# KiCad board AMLDC-2044B p2.kicad_pcb (continued)
## Routing (per net, layer and track width the routed paths; a pad name or vN(x,y) marks a point on that pad's centre or on a via; arc(x,y) is an arc through that point) (continued)
  Top w0.25: 127.64,265.18 126.76,265.18 UJ0.7 ; 127.64,265.18 128.42,259.67 C72.2 131.78,255.26 132.39,254.66 132.39,244.27 132.31,244.35 ; 127.64,265.18 127.87,265.41 ; 127.7,300.53 127.52,300.36 127.4,300.48 UG0.7 ; 127.7,300.53 127.7,316.99 ; 127.7,300.53 127.7,291.48 127.87,291.3 ; 132.31,244.35 UK0.7 ; 132.31,244.35 133,243.65 133,238.59 ; 132.82,196.94 132.51,197.25 UM0.7 ; 132.82,196.94 132.82,213.86 ; 132.82,196.94 132.71,196.83 132.71,195.07 128.1,190.47 127.99,190.47 127.99,180.6 ; 127.03,395.64 v2(127.53,398.19) 127.58,398.24 ; 127.03,395.64 R19.2 125,388.81 CR1.2 124.53,385.06 R49.2 126.98,382.61 126.98,374.29 127.03,374.24 127.03,373.44 126.51,372.92 ; 127.03,395.64 127.58,395.64 128.18,395.04 133.28,395.04 133.33,395.09 133.93,393.64 134.33,392.14 135.53,389.39 136.73,387.04 137.03,386.74 C45.1 137.03,382.79 C31.1 ; 127.85,355.23 UD0.7 ; 127.85,355.23 127.85,338.68 ; 127.85,355.23 R72.2 128.73,358.84 128.73,368.2 UC0.7 ; 127.74,282.58 127.87,282.71 127.87,291.3 ; 127.74,282.58 127.58,281.52 127.87,278.69 ; 127.74,282.58 127.55,282.38 UH0.7 ; v2(125.23,369.44) 125.18,369.5 UC0.7 ; 111.33,338.34 111.56,338.57 v1(111.6,338.61) 127.96,338.57 127.85,338.68 ; 127.87,265.41 125.1,259.26 C71.2 ; 127.87,265.41 127.87,278.69 ; 127.99,155.52 127.99,137.67 ; 127.99,155.52 128.13,155.38 UP0.7 ; 127.99,155.52 127.99,180.6 ; 127.99,137.67 127.83,137.51 UR0.7 ; 127.99,137.67 127.99,120.63 127.78,120.84 US0.7 ; UE0.7 127.78,336.04 127.87,335.95 ; 127.87,291.3 128.28,291.71 R7.2 ; 133,238.59 132.8,238.39 C64.2 ; 133,238.59 133,229.82 132.91,229.73 ; 127.7,316.99 127.87,317.16 127.87,335.95 ; 127.7,316.99 127.64,317.04 UF0.7 ; 126.51,372.92 126.13,372.54 ; 126.51,372.92 126.35,372.92 UC0.7 ; 127.99,180.6 127.8,180.78 UN0.7 ; 127.87,335.95 127.87,338.66 127.85,338.68 ; 132.91,229.73 132.79,229.62 127.63,229.62 127.26,229.25 C65.2 ; 132.91,229.73 132.91,213.95 132.82,213.86 ; 127.87,278.69 120.3,278.46 v1(115.28,277.64) 115.35,277.67 ; 426.85,141.03 429.33,143.46 428.98,143.81 429.16,150.38 429.47,153.62 429.66,155.43 429.87,160.33 R25.2 428.98,163.44 429.28,163.44 429.68,163.84 429.68,165.74 C8.1 ; J2.1 81.25,195.01 v2(81.33,195.09) ; 132.82,213.86 UL0.7 ; J1.99 81.13,228.79 81.13,228.79 v2(81.18,228.79) 81.18,228.84
(no net): length 15903
  Top w0: 81.24,359.14 81.25,359.16 v1(82.12,359.16) ; 92.28,359.16 v1(92.32,359.2)
  Top w0.15: 134.47,312.16 133.96,301.87 133.89,300.84 133.73,297.18 133.86,296.81 134.02,296.07 134.23,293.86 133.88,292.21 ; v1(435.61,354.5) 435.44,351.61 435.42,347.65 435.52,346.83 435.38,335.06 435.23,324.04 435.08,308.08 435.08,304.25 435,292.65 435.21,265.69 435.35,263.7 435.35,260.58 v1(435.26,260.49) ; 320.5,187.84 320.55,187.79 ; 320.55,187.79 320.34,184.56 320.37,183.82 320.27,180.78 320.11,179.38 320.05,177.75 319.77,175.22 319.47,173.66 319.38,172.53 319.18,171.28 319.09,170.02 318.86,168.7 318.68,167.46 318.57,165.91 318.48,165.07 318.37,159.86 318.14,153.18 317.98,126.67 317.93,125.15 317.92,123.23 317.87,122.3 317.76,117.8 317.81,116.32 317.76,111.16 ; 320.55,187.79 320.63,193.25 320.66,194.13 320.83,200.31 320.56,201.68 320.44,202.59 320.18,203.75 319.79,205.58 319.37,206.64 v1(319.01,207.31) ; 223.62,150.78 223.77,149.45 223.62,148.19 v1(223.62,146.83) ; v1(285.47,246.4) 285.54,246.4 288.37,243.96 289.08,243.27 290.07,241.74 289.85,238.11 289.63,237.09 289.32,235.61 289,233.62 288.56,229.55 288.47,228.25 288.05,224.73 287.74,222.27 287.66,210.17 287.59,207.13 287.83,176.46 287.59,168.48 287.43,164.1 ; v1(417.59,257.06) 417.71,258.75 417.57,280.76 417.63,282.13 417.76,290.05 417.76,290.94 417.85,295.06 417.92,296.22 417.69,296.71 417.53,297.74 417.99,299 418.1,303.4 417.79,303.78 417.65,305.26 417.74,305.35 417.74,305.52 418.14,306.2 418.04,307.32 418.03,308.77 v1(417.92,308.88) ; v1(223.78,322.32) 223.94,323.28 224.18,324.5 224.37,326.12 224.49,328.72 224.48,330.47 224.48,349.31 224.44,352.34 ; v1(281.65,362.85) 281.65,338.9 v1(281.54,338.78) ; v1(399.47,279.7) 399.5,279.73 399.5,281.32 399.4,281.7 399.22,282.95 399.09,285.7 398.98,286.67 399.07,306.05 399.21,313.68 399.33,344.7 399.38,345.45 399.41,348.23 399.61,349.99 399.85,353.21 400.08,357.04 399.98,357.64 v1(400.02,357.68) ; 179.03,119.62 179.15,139.25 179.29,148.47 179.36,150.28 179.54,153.48 179.78,155.21 179.68,162.47 179.57,162.96 179.25,169.77 179.25,170.55 179.18,172.81 179.21,177.62 179.21,178.66 179.25,179.47 179.5,184.4 179.57,185.55 180.04,190.65 180.17,191.97 180.77,197.69 v1(181.02,198.95) ; 139.92,194.73 140.29,196.55 v1(140.67,197.61) ; v1(333.3,160.6) 332.86,159.74 332.74,159.47 332.47,157.88 332.4,157.34 332.23,156.29 332.18,154.8 332.18,150.68 332.33,149.48 332.56,145.78 332.84,144.52 332.97,141.46 v1(332.97,141.46) ; 290.6,187.17 290.59,188.54 290.62,189.4 v1(291.12,190.91) ; v1(366.31,211.23) 366.29,209.96 366.25,208.91 366.11,204.43 366.13,203.58 366.06,201.09 366.07,199.61 366.03,196 365.99,195.17 365.89,191.97 365.89,191.03 365.81,189.47 365.73,187.77 365.8,187 365.69,185.96 365.71,185.94 365.85,183.16 365.94,182.06 366.12,179.87 366.15,179.15 366.25,178.13 366.38,174.51 366.35,167.87 366.35,166.36 366.35,165.16 366.3,162.35 366.34,158.46 366.27,157.7 v1(366.08,156.61) ; 104.46,156.89 104.43,156.92 v1(104.43,158.17) ; 281.45,239.64 281.76,230.79 282.31,226.25 283.05,219.74 ; v1(363.07,277.42) 363.32,277.15 363.29,276.74 v1(362.98,269.77) ; v1(179.27,214.31) 179.06,216.05 179.2,216.9 ; 224.44,352.34 224.02,352.77 v1(223.94,352.77) ; 224.44,352.34 224.44,352.42 ; v1(400.17,360.48) 400.48,360.35 401.23,359.15 401.83,357.77 401.48,352.83 401.38,351.82 401.37,351.08 401.34,350.84 401.3,349.33 401.31,348.82 401.33,348.53 401.46,346.98 401.86,345.86 402.19,345 402.53,343.96 402.62,342.28 401.9,339.06 401.58,332.05 401.48,328.42 401.28,323.58 401.15,317.26 401.12,313.11 ; 286.75,280.99 286.31,270.3 286.24,268.65 286.43,266.36 286.76,256.36 287.36,249.66 287.62,247.44 v1(287.75,246.8) ; 255.36,339.2 255.38,339.05 ; 255.38,339.05 255.55,338.17 255.87,329.05 255.86,328.24 255.82,325.86 255.84,321.61 255.58,317.99 255.65,317.56 255.25,314.53 254.82,311.2 254.48,307.01 253.95,300.72 253.82,295.96 253.88,295.27 254.03,290.81 254.15,289.81 254.54,287.55 254.78,286.05 v1(255.29,284.16) ; 255.38,339.05 255.32,339.33 v1(255.29,340.16) ; v1(289.01,392.22) 289.31,389.83 289.72,385.4 289.68,368.53 289.68,365.12 289.39,359.87 v1(289.12,357.89) ; v1(289.07,281.36) 289.29,283.24 289.48,285.18 289.85,287.07 290.15,291.39 290.11,293.54 290.15,297.04 290.08,297.91 v1(290.09,298.24) ; 212.76,119.89 212.76,125.08 212.4,132.31 212.35,132.36 212.54,132.55 212.54,137.49 212.58,137.54 212.79,152.18 212.93,155.63 ; v1(89.94,267.46) 89.3,267.83 88.9,268.31 88.43,268.84 87.54,270.31 87.65,271.97 87.8,272.48 88.01,273.07 88.36,273.57 88.51,273.83 89.12,274.34 89.4,274.5 92.67,276.23 94.48,277.07 v1(95.94,277.79) ; v1(374.63,156.56) 375.21,181.47 375.09,233.13 375.15,245.87 375.15,246.58 v1(374.9,246.82) ; 324.31,112.76 324.58,130.41 324.43,138.98 324.95,141.17 325.18,142.71 325.08,143.99 325.13,146.18 325.31,147.76 325.49,150.7 325.99,152.56 326.37,155.27 326.93,157.13 327.7,161.27 328.36,164.64 328.77,167.68 328.63,174.66 328.73,179.64 328.74,180.87 328.64,196.8 328.69,196.84 328.69,216.9 328.77,225.8 328.77,234.54 328.84,237.09 328.81,246.11 328.58,249 328.2,256.96 327.93,261.82 327.83,262.99 327.61,268.46 327.34,272.2 326.93,281.4 326.75,283.88 326.56,288.3 326.43,289.75 325.93,303.37 325.67,308.99 325.36,317.81 325.18,319.61 325.04,321.81 324.77,331.7 324.83,335.96 324.9,343.83 324.92,346.62 325.13,370.54 325.08,370.59 v1(325.08,372.84) ; 210.75,120.42 210.48,119.66 211.01,123.81 211.14,124.98 211.26,126.99 211.35,128.65 211.32,130.75 211.44,134.94 211.31,137.11 v1(211.17,140.29) 211.01,141.55 211.01,148.27 211.06,148.99 211.06,155.6 210.99,157.07 211.08,164.67 211.05,166.42 211.07,172.58 210.99,176.83 211.02,181.96 210.93,182.56 211.01,191.13 211.06,191.38 210.96,196.55 210.93,199.12 210.93,209.18 210.88,209.23 210.88,214.41 210.57,222.08 210.49,250.54 210.48,251.66 210.32,337.08 210.54,338.07 211.07,341.96 v1(211.21,342.75) ; v1(183.59,172.31) 184.14,194.67 183.62,210 183.6,211.15 v1(183.39,214.21) ; v1(172.18,322.87) 172.39,323.86 172.76,324.96 172.79,326.95 172.59,330.57 172.13,333.16 171.7,338.44 171.7,341.87 171.6,343.31 171.84,347.13 172.78,348.77 173.27,349.92 173.39,350.86 173.39,355.97 173.38,357.33 173.26,359.59 173.22,361.16 173.52,364.31 173.8,366.42 173.87,367.56 173.93,369.26 174.15,373.94 174.29,374.98 174.39,377.79 174.54,379.16 174.37,382.97 173.61,387.89 173.38,390.94 173.29,391.84 v1(173.29,394.92) ; v1(102.99,181.05) 103.12,180.12 103.47,176.28 ; v1(102.99,181.05) 103.23,181.29 ; v1(102.99,181.05) 102.79,180.85 ; v1(338.22,199.67) 338.45,200.84 338.6,203.43 338.6,204.75 338.58,206.26 338.5,209.6 338.32,214.28 338.17,217.19 337.76,223.91 337.59,225.98 337.48,228.27 337.4,228.89 337.22,233.27 337.07,234.41 336.84,236.2 336.06,237.71 335.74,238.77 334.66,240.58 334.21,242.82 334.01,244.72 334.14,248.04 334.08,250.49 334.16,255.56 334.14,257.91 334.31,263.75 334.23,263.84 334.23,272.05 334.16,273.67 334.16,287.06 334.11,287.11 334.11,288.97 334.14,290.96 334.4,301.85 334.46,304.65 v1(334.63,309.1) ; 138.84,368.83 138.63,367.22 138.35,365.12 137.82,363.32 137.56,358.43 137.64,356.25 137.51,354.61 137.4,334.97 137.29,333.74 137.2,327.37 137.2,326.48 137.12,323.58 136.9,321 136.82,319.46 136.63,315.29 136.59,313.39 136.41,311.54 136.39,310.11 135.97,302.13 135.87,300.74 135.93,298.94 136.31,296.62 136.21,293.74 135.96,292.37 135.75,290.7 135.81,289.41 135.97,282.43 135.97,281.26 135.93,278.52 135.92,277.66 135.97,275.24 136.39,273.1 136.92,269.53 136.91,268.74 137.12,261.83 137.26,260.1 137.52,257.25 137.86,254.98 138.55,248.79 138.63,248.32 139.02,245.44 138.91,243.57 138.25,241.33 137.65,239.72 136.96,237.78 136.45,236.61 136.25,235.6 135.87,234.51 135.49,233.16 135.28,231.55 ; 173.71,326.62 173.75,323.54 173.24,319.16 173.25,317 173.33,316.23 173.65,314.34 173.85,312.69 173.63,310.04 173.4,308.16 172.73,305.01 173.31,301.86 173.55,301.08 173.81,299.04 174.03,297.79 174.07,296.63 174.02,293.82 174.03,293.26 173.8,288.72 173.88,282.66 173.98,274.19 173.98,273.46 174.02,267.3 174.06,266.46 173.94,260.64 173.95,258.52 173.92,255.73 173.97,251.8 173.94,247.6 174.07,244.35 174.07,240.88 174.09,240.54 174.09,235.95 174.07,235.47 174.17,232.22 174.17,218.33 174.15,217.62 174.08,214.41 174.08,203.04 173.88,188.1 173.93,185.18 173.32,177.87 172.97,176.61 172.76,175.44 172.22,173.53 171.9,171.43 171.86,169.86 171.96,164.85 v1(172.26,163.33) ; v1(405.09,342.24) 404.95,343.01 404.62,343.95 404.45,344.54 404.19,345.14 403.82,346.44 403.71,347.34 403.57,348.88 403.56,351.52 403.7,358.29 403.4,360.2 403.24,360.76 403.06,361.8 402.92,363.21 402.87,363.62 402.76,364.22 402.76,370.73 402.7,371.29 402.73,372.15 402.89,374.12 403.01,374.72 403.3,376 403.43,376.5 403.68,377.37 404.1,378.16 404.34,378.87 404.44,379.35 v1(404.54,380.24) ; v1(221.98,282.42) 221.28,283.83 221.23,302.85 221.25,316.02 221.04,326.08 220.91,330.04 220.82,331.01 220.73,334.77 221.14,336.88 220.94,338.43 220.49,339.28 ; v1(363.07,321.78) 363.14,323.04 362.97,325.09 362.79,327.86 362.69,329.02 362.69,330.48 362.65,334.8 362.74,336.63 362.74,340.53 362.73,341.93 362.69,346.53 362.76,347.66 362.92,351.72 363.01,353.18 363.3,356.8 363.47,358.8 363.7,362.18 363.81,362.86 364.03,364.99 364.2,366.13 364.32,367.44 364.73,371.25 364.96,373.84 365.01,378.29 364.95,379.44 364.87,380.2 364.49,383.58 v1(364.33,384.05) ; 249.17,157.19 250.06,159.92 250.66,161.86 251.04,165.2 249.82,175.11 250.13,179.27 v1(250.14,180.1) ; v1(367.93,347.16) 368.41,346.68 368.66,338.86 368.46,336.86 368.28,336.38 367.66,334.81 367.37,334.02 366.96,333.06 366.81,332.11 367.09,330.6 367.23,330.08 367.39,329.09 367.53,328.48 367.59,327.8 367.78,326.89 368,325.89 368.13,325.14 368.3,324.01 368.43,323.14 368.43,321.87 368.37,321.61 368.29,321.11 367.97,320.12 367.43,318.98 367.28,318.47 367.09,317.56 366.9,316.25 366.85,315.24 366.7,312.83 366.66,311.76 366.75,310.34 367.05,308.62 367.3,307.4 367.36,305.34 367.04,304.33 366.54,302.98 366.16,301.71 366.25,300.29 366.6,299.1 367.18,297.28 367.58,296.24 368.23,294.35 369.12,292.36 369.67,288.45 369.7,284.98 369.86,276.92 369.52,273.35 369.09,271.38 368.9,269.54 369.26,268.14 369.85,266.77 370.2,265.98 370.52,264.55 370.36,262.71 369.96,261.55 369.58,260.09 369.2,258.72 368.99,254.78 369.02,254.06 368.94,253.43 369.02,250.25 368.93,249.17 368.73,246.67 368.65,245.96 368.54,242.3 368.48,242.08 368.57,237.79 368.72,229.56 368.76,228.9 368.7,228.57 368.69,228.14 367.9,224.63 367.74,223.6 367.47,222.69 367.23,221.62 367.12,220.86 367.16,219.76 367.29,218.79 v1(367.43,217.53) ; v1(82.15,324.86) 82.47,324.86 84.07,327.46 84.97,330.91 86.35,335.62 87.76,339.19 88.17,340.03 90.7,343.73 90.93,343.73 v1(91.07,343.86) ; v1(407.69,250.65) 407.77,249.77 408.02,248.98 408.28,247.42 408.4,246.69 408.47,245.58 408.58,243.14 408.62,242.65 408.57,239.41 408.5,238.03 408.52,237.08 408.32,236.01 408.24,234.15 408.04,232.85 407.89,231.17 407.68,229.71 407.59,228.54 407.39,226.99 407.27,225.16 407.17,223.54 406.96,210.81 407.02,209.07 406.96,207.16 406.95,204.79 406.84,192.9 ; 337.93,110.49 338.22,110.78 338.22,150.93 337.95,151.2 v1(337.95,151.96) ; 172.85,119.51 172.97,119.63 172.97,131.21 172.87,132.15 172.74,138.61 172.76,138.63 172.64,148.58 171.93,150.96 171.55,153.36 171.2,155.35 v1(171.1,156.86) 171.1,157.18 170.31,159.76 170.29,161.63 170.29,162.95 170.59,170.61 170.63,173.27 171.4,177.39 171.89,179.75 172.19,180.95 172.52,182.78 172.8,186.35 172.82,189.32 172.95,191.96 172.94,192.57 ; v1(411.97,392.92) 412.18,392.45 412.58,391.6 412.59,385.79 412.59,383.86 412.56,372.17 412.55,367.84 412.5,360.33 412.47,358.8 412.33,347.66 412.33,345.66 412.35,342.34 412.41,335.49 412.28,331.58 412.17,330.25 412.04,328.66 412.04,327.16 v1(411.8,326.91) ; v1(175.21,347.86) 174.88,346.9 174.85,346.37 174.75,343.12 174.74,336.16 174.71,334.05 174.85,327.87 174.89,324.99 174.76,321.2 174.71,320.37 174.62,319.5 174.4,318.25 174.06,317.57 174.88,315.56 174.74,314.96 174.88,312.12 174.81,311.43 174.58,308.98 174.34,307.77 174.22,306.64 174.09,305.99 174.16,303.31 175.39,298.73 175.32,294.52 175.03,289.86 175.05,288.08 175.7,286.53 176.04,285.34 177.11,283.32 177.14,275.37 177.11,275.34 177.11,267.56 177.07,267.53 177.14,267.22 177.21,266.12 177.21,255 v1(177.31,254.9) ; 253.68,335.89 253.68,336.28 253.73,335.48 254.21,331.71 254.42,330.13 254.45,329.7 254.63,327.59 254.52,326.13 254.54,324.89 254.57,322.16 254.18,317.95 253.89,315.12 253.8,313.41 253.38,306.93 252.95,302.82 252.58,299.37 252.55,298.18 252.36,294.41 252.35,291.5 252.32,283.33 252.33,279.64 252.45,275.91 252.51,275.52 252.72,273.43 253.2,270.22 253.42,269.45 253.52,269.45 v1(254.06,268.91) ; 327.37,110.65 327.56,140.06 327.74,147.35 327.82,149.18 328.03,150.59 328.39,151.98 328.45,152.75 328.84,154 329.15,155.73 329.45,156.81 329.82,159.14 329.98,159.85 330.09,160.93 330.37,162.1 330.49,162.73 330.82,164.28 331.09,166.75 331.43,168.46 331.47,258.7 v1(331.64,258.87) ; v1(178.86,361.83) 178.72,360.51 178.53,356.26 178.47,355.38 178.09,352.9 177.98,351.43 177.76,349.14 177.8,347.04 178.07,344 178.4,341.56 178.43,341.22 178.62,339.03 178.78,336.22 179.02,333.64 179.37,329 179.33,327.9 179.25,325.55 179.04,323.8 178.72,321.07 178.55,318.97 178.47,318.9 178.47,314.87 178.49,314.31 178.7,311.83 178.88,310.59 179.04,300.72 178.94,300.16 178.84,296.28 178.74,295.46 178.21,290.14 178.08,288.43 178.57,287.03 179.35,285.26 180.12,282.07 180.3,273.11 ; 212.27,194.42 212.17,179.02 212.21,178.97 212.21,171.71 212.26,171.67 212.3,163.72 212.27,162.42 212.47,159.75 212.93,155.46 ; v1(368.06,265.9) 367.97,266.64 367.92,267.05 367.86,267.77 367.87,270.37 368.13,271.73 368.47,273.22 368.62,273.87 368.83,274.83 368.89,275.56 368.81,287.36 368.52,290 368.08,292.42 367.45,294.11 366.87,295.91 366.47,296.88 365.79,298.89 365.53,299.52 365.28,300.52 365.23,301.25 365.3,302.98 365.52,304.25 v1(365.41,305.27) ; v1(337.02,245.71) 336.85,246.7 336.72,248.32 336.71,250.22 336.59,251.44 336.64,258.98 336.62,259.72 336.62,260.65 336.61,266.68 336.61,273.06 336.68,273.13 336.68,280.79 336.82,283.08 336.86,283.43 336.96,284.93 337.04,286.77 337.12,287.58 v1(337.09,288.84) ; 107.05,193.12 107.5,195.84 107.66,196.62 107.66,197.29 108.15,200.23 108.21,200.82 108.55,201.77 108.7,202.47 v1(108.99,204.45) ; v1(368.15,331.9) 368.31,331.19 368.47,330.41 368.41,330.06 368.53,327.88 368.93,325.48 369.12,324.69 369.39,323.03 369.48,321.94 369.26,320.75 368.82,319.7 367.87,316.46 367.71,315.4 367.62,314.65 367.63,314.23 367.58,312.73 367.61,311.7 367.58,310.75 367.71,309.89 367.84,309.38 368.45,305.95 368.1,304.49 367.87,304.01 367.25,302.39 367.17,301.38 367.12,300.88 367.3,300 368.2,297.81 368.64,296.43 368.99,295.55 369.38,294.11 370.05,292.37 370.53,289.85 370.65,289.29 370.8,275.56 370.78,274.39 370.66,273.48 370.56,272.72 370.06,270.96 369.87,269.63 370.23,268.24 370.61,267.35 371.28,265.78 371.44,264.43 371.42,263.85 371.38,262.71 371.01,261.95 370.93,261.35 370.39,259.81 370.02,257.96 369.9,248.66 369.89,248.64 369.73,247.54 369.64,246.75 369.46,243.75 369.72,241.47 370.71,238.55 371.19,237.23 371.36,232.3 371.45,230.32 371.4,211.37 371.17,208.01 371.15,207.63 370.66,204.79 370.24,201.8 370.19,200.98 369.88,192.67 369.85,191.8 369.78,184.31 370.66,181.72 371.23,180.1 371.43,179.48 371.57,178.78 371.81,177.9 371.8,175.88 371.74,170.85 371.29,164.77 371.17,163.63 371.1,163.13 v1(370.9,162.73) ; 176.06,147.14 175.86,119.18 175.82,119.14 ; v1(82.28,308.8) 83.43,311.67 84.7,313.87 85.82,316.82 87.25,319.36 88.05,321.11 89.85,323.81 90.52,324.38 90.94,324.73 92.27,326.26 92.99,327.71 93.07,330.15 92.77,331.78 v1(92.28,333.9) ; v1(403.42,390.32) 402.97,389.35 402.32,388.37 402.03,387.59 401.8,387.13 401.34,385.23 401.46,379.11 v1(401.28,377.68) 401.39,377.25 401.5,376.86 401.48,375.45 401.48,374.49 401.31,367.63 401.34,366.96 401.37,366.23 401.44,363.35 401.55,362.5 401.81,361.4 402.21,359.47 402.61,357.68 402.58,354.37 402.49,352.73 402.44,350.11 402.44,349.14 402.42,348.32 402.53,347.46 402.86,345.99 403.11,345.3 403.49,344.33 403.58,342.29 403.4,340.78 403.26,339.65 403.13,338.62 403.14,338.16 402.91,335.96 402.79,334.25 402.79,333.77 402.76,329.94 402.82,328.88 402.92,323.17 403.04,322.39 403.21,321.14 403.31,320.76 v1(403.43,319.16) 403.23,318.67 403.11,318.3 402.79,316.68 402.71,316.04 402.53,314.2 402.54,313.09 402.54,310.55 402.58,309.93 402.69,308.61 402.81,307.67 402.94,306.76 403.25,305.43 403.57,302.85 403.03,300.54 v1(403.03,300.22) ; 400.41,288.18 400.35,289.15 ; 400.35,289.15 400.38,288.45 400.64,286.99 400.74,286.29 400.86,285.41 401.18,284.5 401.77,282.33 402.22,281.22 402.69,279.77 402.76,279.37 402.96,278.87 403.34,277.25 403.55,274.07 403.58,272.76 403.59,262.75 403.6,261.19 403.39,258.32 402.99,256.57 402.38,255.18 401.47,253.73 401.41,253.73 400.44,251.98 399.52,250.54 399.12,249.43 398.77,247.78 398.69,241.54 398.68,240.36 398.5,201.89 398.77,197.1 398.71,194.55 v1(398.89,194.37) ; 400.35,289.15 400.22,293.46 400.22,295.34 400.19,299.28 400.2,300.01 400.2,309.91 400.17,311.57 400.45,323.38 400.45,327.64 400.71,340.79 400.81,342.39 v1(400.84,343.55) ; 408.9,226.58 408.92,227.72 409.07,229.23 409.06,230.45 409.32,233.54 409.33,234.16 409.43,236.21 409.66,239.33 409.67,241.23 409.78,245.71 ; v1(319.75,112.16) 319.53,113.17 319.42,114.22 319.32,116.55 319.2,117.71 318.99,131.82 319.02,146.46 319.21,148.15 319.92,150.03 320.75,151.89 321.22,153.01 321.57,154.34 321.61,155.3 321.67,156.86 321.56,163.66 321.63,164.83 322.1,170.42 322.28,171.32 322.52,173.29 322.73,174.3 322.73,174.83 322.94,176.53 322.91,177.47 323.07,179.21 323.05,217.84 323.05,219.18 322.73,230.43 322.62,231.61 322.53,232.78 322.47,233.68 322.32,234.11 322.16,235.5 322.04,236.58 322.04,236.99 321.82,238.79 321.63,240 321.5,240.8 321.26,242.9 321.16,243.65 v1(321.14,244.25) ; v1(330.91,294.15) 331.27,295.39 331.66,296.61 331.87,297.38 332.13,298.17 332.42,299.46 332.73,300.61 332.92,302.84 332.94,304.06 332.98,305.8 332.94,307.54 332.78,308.91 332.52,314.33 332.57,314.74 332.77,316.83 332.96,317.53 333.06,318.07 333.3,318.78 333.61,320.35 333.77,320.91 334.12,322.37 334.46,323.49 335.26,327 335.43,328.46 335.28,333.59 335.02,337.83 335.38,343.26 335.41,344.51 335.58,349.46 v1(335.35,350.45) ; v1(372.2,326.87) 372.24,325.73 372.33,324.64 372.45,323.59 372.58,322.45 372.56,321.72 372.63,320.08 372.55,319.48 372.14,318.23 372.23,318.32 371.64,317.22 370.93,315.9 370.41,314.07 370.28,311.16 370.67,308.64 371.02,307.21 371.24,306.29 371.55,304.99 371.61,304.26 371.48,302.68 ; 335.94,149.01 336.09,148.21 335.74,139.55 ; v1(320.94,129.9) 320.94,130.7 320.82,130.9 320.58,132.13 320.47,133.67 320.24,141.21 320.31,146.49 320.53,147.83 321.06,149.23 321.68,150.55 322.52,152.16 322.79,153.88 322.66,164.22 322.79,167.02 323.17,170.36 323.34,171.16 323.78,173.28 323.94,173.91 324.04,178.22 324.13,179.22 324.19,182.29 324.16,183.92 324.26,190.93 324.25,190.94 324.25,201.41 324.26,201.43 324.26,208.6 324.22,209.35 324.06,221.27 324.03,225.48 324.03,226.98 324.1,231.32 324.13,232.52 323.89,237.4 323.79,238.5 323.39,241.73 323.14,243.23 322.92,244.77 322.86,245.07 v1(322.67,245.91) ; 91.55,121.52 91.55,121.57 ; 91.55,121.57 92.25,120.73 93.28,119.5 ; 91.55,121.57 90.45,122.8 89.51,123.33 88.19,123.86 86.57,124.12 85.92,124.27 v1(85.3,124.52) ; 103.23,181.29 103.28,181.34 ; 103.23,181.29 103.23,181.36 103.61,182.8 ; v1(182.91,328.41) 182.38,329.36 182.29,331.13 182.35,332.69 182.32,333.99 182.03,342.95 181.97,345.78 181.79,352.51 181.98,358.1 182.21,358.47 182.23,358.7 v1(182.27,359.27) ; v1(251.31,302.01) 251.34,300.65 251.32,299.86 251.27,299.11 251.11,276.61 251.11,271.83 251.04,266.63 251.21,264.56 251.2,263.49 251.16,262 251.32,255.64 251.46,253.94 251.68,250.18 251.8,246.26 252.01,238.46 252.54,231.6 252.57,227.31 252.88,222.6 253.23,216.84 253.33,215.52 253.85,208.9 254.13,205.33 254.44,199.51 254.44,198.71 254.47,190.16 254.45,188.59 254.45,181.4 254.44,180.18 254.56,177.02 254.58,174.3 254.44,172 254.52,169.68 253.97,165.29 v1(253.96,164.12) ; v1(409.5,384.52) 409.69,384.08 409.7,383.06 409.65,368.77 409.61,365.56 409.49,357.53 v1(409.38,354.89) ; 293.04,111.47 293.01,128.25 292.9,170.7 292.2,184.59 291.95,185.98 292.03,187.44 292.03,188.12 v1(292.41,188.51) ; 172.53,286.51 172.17,282.59 171.66,280.06 171.41,275.01 171.51,272.19 171.68,261.89 171.49,258.6 v1(172.18,256.15) ; v1(158.66,259.87) 159.8,260.38 160.64,260.92 161.05,261.34 161.68,262.13 162.02,263.31 162.03,265.08 162.08,266.27 v1(162.16,269.42) ; v1(308.45,116.09) 308.88,116.99 309.04,118.48 309.39,121.21 309.51,122.75 309.61,123.76 309.7,125.3 309.84,126.82 309.96,129.7 309.96,130.17 309.98,130.66 309.91,135.2 309.91,135.77 309.98,142.79 309.96,142.8 309.99,149.1 310.03,157.48 309.84,158.48 309.63,158.97 309.45,159.24 309.45,159.25 309.28,159.47 308.94,159.79 308.26,160.31 307.49,160.92 v1(307.49,160.92) ; v1(409.32,349.64) 409.58,349.08 409.76,348.52 409.88,347.25 410,345.94 409.93,338.69 409.93,337.84 409.5,336.44 408.92,335.39 408.19,334.6 408.07,334.23 407.58,332.69 407.73,330.24 407.83,329.6 407.88,327.13 407.87,327.12 407.87,321.04 407.98,319.26 407.98,314.7 408.04,314.43 408.15,313.19 408.22,312.64 408.3,311.44 408.66,309.06 408.77,305.53 408.79,303.45 408.49,300.54 408.32,298.85 408.15,296.75 408.04,295.37 407.9,294.11 407.74,292.5 407.65,290.95 407.48,288.42 407.41,287.06 407.3,281.69 407.25,281.64 407.25,278.59 407.3,278.54 407.23,275.81 407.15,274.27 407.09,271.3 407.07,269.85 407.09,269.35 407.07,266.25 407.29,261.01 407.37,259.81 407.41,258.25 407.53,257.36 407.57,256.19 407.57,255.3 407.75,253.96 v1(407.63,252.97) ; 215.69,273.34 215.58,274.99 214.73,280.38 214.03,283.68 213.58,286.36 213.58,287.53 213.89,322.94 213.94,324.74 213.91,327.01 213.87,328.75 214.06,340.85 214.1,341.57 214.24,342.63 214.19,348.95 214.12,350.23 213.84,353.45 213.85,354.18 213.62,362.74 213.82,363.45 214.48,365.5 214.88,366.45 v1(215.36,367.73) ; v1(249.01,257.44) 248.77,242 248.65,239.2 248.59,224.74 248.65,208 248.43,186.62 v1(248.96,163.48) ; v1(170.86,328.64) 170.86,329.05 170.42,331.2 170.36,331.82 170.23,333.53 170.14,338.11 170.19,338.15 170.19,342.12 170.42,343.89 170.5,346 170.55,347.08 171.08,348.27 172.1,349.9 172.39,352.08 172.06,354.91 171.49,356.3 v1(170.79,356.6) ; 223.88,119.38 223.83,120.06 223.81,120.09 223.81,126.42 223.39,129.24 223.2,130.91 223.08,131.86 222.86,133.15 222.47,136.59 222.03,139.19 221.18,145.43 221.21,147.88 222.52,152.42 222.76,154.22 222.88,156.28 222.84,157.84 222.71,172.23 222.76,172.28 222.62,173.32 222.47,179.49 222.45,181.5 222.11,196.02 222.35,199.54 222.45,203.92 v1(222.58,204.05) ; 409.78,245.8 409.39,256.1 409.27,258.09 409.2,260.51 409.1,261.72 408.93,265.56 408.85,267.18 408.65,271.18 408.52,272.49 408.46,274.65 408.44,275.64 408.31,278.16 408.52,279.81 v1(408.97,280.95) 408.97,282 408.77,287.23 408.75,288.16 408.7,289.15 408.95,295.24 409.12,296.11 409.27,296.9 409.53,299.35 409.77,300.74 409.99,302.02 409.99,303.78 409.78,309.44 409.47,311.73 409.18,314.45 408.98,316.4 408.87,319.53 408.81,320.21 408.86,320.46 409.04,327.18 409.01,328.92 409.15,330.72 409.15,331.83 v1(409.26,333.12) ; v1(218.83,336.25) 219.17,334.44 219.6,331.53 219.94,308.42 219.88,305.88 219.91,303.71 219.64,297.73 219.53,296.52 219.16,292.72 219.02,291.72 218.83,289.36 v1(218.87,289.32) 219.38,287.93 219.72,285.95 219.67,272.68 219.3,265.93 218.91,259.72 218.86,258.83 218.4,249.43 218.07,245.68 217.44,236.42 216.95,231.16 216.49,224.59 215.92,221.32 215.04,217.49 214.81,215.56 214.91,201.33 214.95,200.3 215.01,196.89 214.87,195.17 215.05,192.57 215.31,189.27 215.51,187.45 215.5,184.71 ; 181.07,119.5 181.21,119.64 181.31,137.96 181.33,139.27 181.33,145.56 181.75,153.76 181.99,155.11 v1(182.4,155.82) ; v1(217.43,327.87) 217.43,329.51 217.21,330.58 217.04,353.5 217.13,353.59 217.25,359.27 217.25,361.94 217.59,364.8 217.87,366.01 218.04,366.85 218.21,368.96 v1(217.15,371.48) ; v1(335.89,201.06) 335.82,200.69 335.93,199.67 336.47,198.23 336.98,196.89 337.45,195.99 337.66,195.33 337.82,194.68 338.13,188.26 v1(338.08,187.04) ; v1(141.67,343.89) 140.83,343.71 140.01,342.51 140.05,337.82 140.14,336.71 140.14,320.58 140.09,320.53 139.61,316.61 139.09,314.06 138.99,311.17 138.78,309.3 138.48,306.86 138.1,304.81 137.84,299.71 138.27,296.6 138.27,294.28 137.84,292.79 137.74,287.93 137.87,286.98 138.14,282.28 137.78,279.59 137.66,276.63 138.04,275.12 138.4,273.54 139.03,271.01 139.15,267.85 138.94,264.67 ; v1(142,284.19) 141.76,285.38 141.31,288.77 140.78,289.98 140.66,291.54 140.94,292.96 141.22,294.39 141.62,295.91 141.83,297.43 141.89,299.07 142.04,303.62 141.95,306.22 141.9,307.8 v1(141.74,309.73) ; v1(293.65,186) 293.83,185.31 293.99,184.47 294.29,182.1 294.39,179.56 294.19,152.86 294.13,110.94 ; v1(324.26,247.57) 324.49,247.16 324.51,246.8 324.61,245.73 324.88,242.41 325.21,234.97 325.35,234.3 325.41,199.86 325.28,176.85 325.2,175.3 325.04,173.97 324.66,171.99 324.38,170.38 324.28,169.54 324.02,168.15 324.02,154.71 ; v1(140.6,155.82) 141.09,156.94 141.29,158.43 141.2,159.2 140.9,167.13 140.59,175.71 140.34,189.2 141.38,191.1 141.71,191.81 142.03,193.25 142.54,196.27 142.27,200.07 141.72,202.69 141.22,205.83 141.4,206.92 141.68,208.71 141.9,209.42 142.1,210.28 142.52,211.65 143.21,213.81 143.81,216.39 144.06,220.42 143.85,269.06 143.81,269.1 143.95,271.93 143.86,275.95 144.3,278.77 143.8,279.6 143.75,281.04 143.86,282.12 143.85,282.07 143.9,284.96 143.87,289.46 143.9,290.51 144.09,291.21 144.34,292.65 143.78,293.21 143.78,294.33 143.77,295.2 143.73,302.36 143.67,303.97 143.67,308.81 143.6,310.36 144.06,312.59 144.23,312.77 143.58,315.13 143.3,319.82 143.17,322.06 v1(143.01,324.97) ; v1(375.31,343.29) 375.66,342.79 375.75,342.08 375.84,341.58 376.01,340.34 376,340.1 376.01,339.65 376.11,337.26 376.11,336.77 376.02,316.4 376.03,315.56 375.97,313.35 375.99,312.08 375.87,307.04 375.92,306.78 375.8,283.53 375.79,282.3 375.74,279.46 375.73,278.12 375.8,276.44 375.68,271.7 375.68,265.55 375.38,261.11 374.9,260.19 374.42,259.42 373.96,258.27 373.69,257.63 373.53,249.41 373.48,248.47 373.57,246.8 373.87,245.21 374.24,243.57 374.22,225.34 373.87,204.19 373.76,203.31 373.59,202.49 v1(373.64,202.19) ; 170.09,177.76 169.52,174.03 169.47,172.69 169.32,171.25 ; 93.92,318.26 93.92,321.7 94.15,323.27 94.76,325.33 95.34,326.76 95.6,328.06 95.81,328.56 96.07,329.66 96.2,330.12 96.64,332.21 96.71,332.54 96.81,336.13 96.58,338.36 96.29,339.14 95.78,340.49 94.97,342.29 93.94,343.9 92.81,345.08 ; v1(179.71,289.24) 179.86,289.4 179.86,291.46 180.19,292.82 180.3,301.5 180.21,301.58 180.28,301.65 180.44,305.69 180.31,308.19 180.16,311.06 179.42,315.05 179.64,319.84 179.89,320.96 180.02,322.76 180.34,325.86 180.17,329.43 180.21,329.9 180.14,332.11 179.89,335.63 179.52,340.29 179.12,344.33 178.97,345.64 178.97,348.64 179.1,349.56 179.32,350.63 179.59,352.71 179.79,353.7 180.07,355.36 180.12,356.2 180.59,360.62 180.69,361.98 180.88,363.15 v1(181.19,364.33) ; v1(333.57,195.61) 333.21,198.08 333.11,198.92 333.2,202.16 333.97,203.59 334.48,204.7 334.94,205.84 335.21,207.41 335.21,208.34 335.34,215.1 335.35,215.59 335.57,221.61 335.34,228.71 335.34,229.2 335.15,231.22 335.13,231.24 334.91,233.77 334.72,235.12 v1(334.56,235.88) ; v1(183.59,258.61) 183.59,247.17 v1(183.55,247.13) 183.36,246.94 183.36,218.32 v1(183.55,218.13) ; v1(368.33,122.41) 368.42,122.5 368.57,124.66 368.65,125.47 368.75,126.46 368.85,127.39 369.03,128.78 369.22,130.54 369.22,132.02 369.17,132.88 369.16,133.31 368.92,144.57 368.94,145.15 368.9,145.94 368.86,147.15 368.57,157.17 368.53,159.06 368.42,166.01 368.46,166.05 368.61,172.27 368.59,173.31 368.63,177.72 368.47,179.45 368.2,182.22 368.02,182.99 367.8,185.8 367.94,191.56 368.08,195.9 368.18,199.97 368.26,201.98 368.5,203.25 368.77,204.65 369.13,206.97 369.35,208.21 369.48,210.06 369.65,212.29 369.61,213.76 369.4,217.3 369.14,218.98 v1(368.78,221.17) ; v1(85.45,143.04) 89.7,143.24 v1(90.48,143.46) ; v1(367.25,138.61) 367.35,142.02 367.4,144.65 367.42,146.25 367.64,155.22 367.67,156.37 367.62,157.92 367.6,159.25 367.59,160.1 367.48,166.1 367.47,166.37 367.46,167.66 367.53,175.21 367.51,177.53 367.34,179.33 367.24,180.15 366.91,184.57 366.9,185.07 366.89,185.92 366.9,192.85 367.03,194.9 367.1,196.89 367.24,198.66 367.22,199.81 367.24,201.91 367.51,203.44 367.72,204.3 367.9,205.24 368.18,206.69 368.22,207.52 368.33,208.62 368.43,209.54 368.4,209.57 368.31,211.67 368.28,212.35 368.13,213.35 367.83,214.31 v1(367.48,214.97) ; 371.48,302.93 371.1,301.6 370.49,299.7 370.41,298.31 370.49,296.72 370.79,295.89 371.25,294.21 371.53,293.55 371.68,293.2 371.94,292.5 372.14,291.95 372.41,291.03 372.58,286.77 372.62,283.9 372.67,276.61 372.65,272.06 372.52,271.64 372.23,270.33 371.89,269.63 v1(371.84,269.63) ; 281.83,110.81 281.89,110.54 282.14,112.34 282.14,113.15 282.27,113.43 282.58,115.23 282.97,116.59 283.11,117.09 283.28,118.23 283.36,120.18 283.28,149.72 283.25,176.42 283.44,196.27 283.21,197.08 283.04,198.03 282.85,198.63 282.39,200.82 282.12,201.56 281.61,204.36 v1(281.31,205.17) ; v1(373.46,198.59) 373.62,198.12 373.76,197.49 373.86,195.56 373.91,194.49 373.96,193.54 374.01,192.48 374.16,187.16 374.21,185.4 374.16,182.25 374.11,180.56 374.11,178.8 373.93,176.37 373.84,172.68 373.73,170.8 373.71,169.09 373.6,166.67 373.57,165.73 373.52,162.64 373.24,160.83 372.97,155.53 372.94,154.41 373.08,142.53 373.08,140.35 373.17,128.95 373.18,127.41 373.06,114.24 373.09,112.22 373.14,110.85 373.12,110.5 ; 105.17,119.36 105.07,119.47 104.91,141.35 104.91,143.45 104.75,153.07 104.65,154.61 104.52,156.83 ; 170.05,177.47 170.8,180.78 171.27,183.18 171.66,186.15 171.71,189.97 171.33,193.11 170.58,195.14 169.64,197.12 169.24,198.71 169.11,201.53 169.11,203.1 168.99,222.64 169.06,222.71 169.06,232.04 169.11,232.39 168.96,253.25 168.93,253.28 168.82,277.03 168.83,278.45 168.79,280.04 169.14,283.94 169.3,284.74 v1(169.61,286.64) 169.44,287.65 168.89,291.03 168.87,300.68 ; v1(400.36,242.79) 400.36,240.85 400.34,240.84 400.25,217.91 v1(400.3,204.55) ; v1(141.67,341.62) 141.38,339.8 141.16,335.19 141.09,333.5 141,328.7 141.09,327.55 141.18,320.58 v1(141.6,320.16) 141.29,318.2 140.89,317.02 139.98,312.96 139.83,311 140.09,308.69 140.86,305.56 140.98,300.68 140.75,296.44 140.5,295.27 140.48,295.24 140.4,294.4 139.63,290.69 139.73,287.84 139.99,287.22 139.99,283.31 140,282.72 ; 282.49,264.6 283.49,267.41 283.92,270.31 ; v1(405.66,253.98) 405.54,253.17 405.61,252.73 405.61,251.33 405.62,251.08 405.7,250.39 405.65,249.67 405.74,249.06 406.02,247.31 406.16,246.38 406.39,245.35 406.59,243.97 406.72,242.56 406.88,241.72 407.05,239.76 407.15,237.03 407.15,236.38 407.01,234.68 406.96,233.58 406.72,232.42 406.24,229.01 406.06,228.09 405.83,226.89 405.76,226 405.63,224.82 405.66,224.19 v1(405.66,223.07) ; v1(94.56,332.76) 94.34,332.55 94.22,331.18 94.12,330.65 94.11,328.63 93.77,327.18 93.5,326.04 91.99,324.31 91.52,323.81 90.12,322.42 88.91,320.55 88.28,319.07 87.47,317.35 86.89,316.03 86.38,314.65 85.63,312.7 84.98,310.73 84.47,309.27 84.06,307.97 83.32,306.51 v1(82.28,305.67) ; 220.8,203.81 v1(221.18,206.68) ; v1(330.64,148.9) 331.13,147.46 331.2,145.62 330.82,130.11 v1(330.58,127.44) ; v1(172.28,221.78) 172.95,219.53 172.94,192.47 ; v1(132.44,375.32) 132.75,373.93 133.52,372.1 134.33,369.22 134.7,367.84 134.89,366.1 135.16,364.8 135.27,354.09 135.44,350.42 135.47,335.18 135.07,329.34 135.16,326.68 134.92,323.94 134.79,318.44 134.74,317.55 134.45,311.86 ; v1(322.65,384.32) 322.82,382.85 323.13,380.52 323.2,341.48 323.4,332.74 323.97,317.24 324.63,305.69 325.28,285.29 325.41,282.68 325.64,276.23 325.68,275.76 325.94,270.02 327.43,250.15 327.73,246.03 327.65,242.9 327.62,238.19 327.78,232.9 327.69,227.97 327.65,225.06 327.65,215.6 327.72,214.82 327.64,210.86 327.72,203.62 327.65,193.46 327.7,192.07 327.56,182.1 327.57,181.13 327.57,180.52 327.49,166.95 327.14,164.33 326.6,160.85 326.18,159.28 325.41,154.4 324.66,151.91 324.18,147.4 324.19,146.54 324.24,143.31 323.59,140.3 323.19,138.26 323.11,137.44 322.74,136.11 322.79,131 322.87,125.43 322.73,112.76 ; v1(404.6,333.26) 404.79,335.2 404.74,336.05 404.77,336.78 405.46,338.62 406.38,340.11 406.78,341.2 406.96,342.74 406.85,344.11 406.7,344.77 406.17,347.29 405.82,348.53 405.69,349.73 405.55,350.56 405.4,351.55 405.32,352.83 405.31,353.68 405.28,355.37 v1(405.18,356.2) ; v1(223.82,317.09) 224.06,291.34 v1(223.86,285.53) ; 138.87,368.51 138.47,371.67 137.8,373.49 136.98,376.05 135.81,379.29 134.8,382.94 133.77,385.26 133.33,387.02 132.62,388.83 131.88,390.85 v1(131.51,392.03) ; 283.05,219.89 283.11,218.58 283.7,214.18 283.7,208.98 284.02,205.86 284.42,198.55 284.55,197.86 284.58,185.24 284.55,182.85 284.58,177.72 284.48,176.08 284.48,165.56 284.43,165.02 284.44,164.58 284.39,110.4 ; 333.29,110.47 333.33,110.99 333.33,112.29 333.5,114.25 333.99,116.33 334.22,117.97 v1(334.16,118.27) ; v1(169.51,362.88) 168.78,362.02 168.24,360.15 168.04,358.76 168.04,357.57 167.89,348.9 167.92,346.49 167.75,335.27 167.81,334.36 167.7,332.32 167.72,330.91 167.73,325.16 167.62,320.77 167.72,302.89 167.75,301.87 167.8,298.72 167.7,294.38 167.81,270.23 167.72,266.43 167.87,260.73 167.89,257.65 167.84,249.14 167.89,242.69 167.89,236.86 167.92,234.95 168.06,205.66 167.93,200.78 168.29,198.21 168.63,196.51 169.74,193.93 170.47,192.5 170.64,185.89 170.31,183.9 169.83,181.89 169.2,179.3 168.9,177.96 168.32,175.24 168.18,173.48 168.01,158.46 168.07,155.64 168.26,153.86 168.88,151.22 169.43,149.74 170.1,148.23 170.45,147.01 170.6,143.4 170.63,142.65 170.63,120.29 170.14,119.8 ; 248.59,116.04 v1(248.52,116.15) 248.6,117.84 248.54,119.26 248.54,119.9 248.51,153.03 249.23,157.56 ; v1(177.78,235.82) 177.78,236.25 177.96,238.05 178.11,240.08 178.33,241.58 178.32,243.67 178.39,245.52 178.45,246.97 178.59,248.96 178.71,252.25 178.95,257.91 178.77,267.86 178.84,273.08 178.84,277.31 178.75,278.16 178.44,282.59 177.83,284.68 177.09,286.67 176.86,288.83 ; v1(406.78,336.85) 407.39,338.08 407.65,339.09 407.88,340.27 407.86,341.06 407.88,342.17 407.85,343.47 407.9,344.04 407.73,346.59 407.38,348.02 407.19,349.61 407.01,350.66 406.85,354.37 407.02,355.93 407.23,357 407.36,358.03 407.49,359.14 407.6,363.89 407.55,365.42 407.64,366.93 407.68,370.08 407.68,371.68 407.73,374.92 407.73,376.12 407.7,377.46 407.67,378.06 407.55,381.12 407.39,382.1 407.3,382.31 v1(407.02,382.72) ; 140.04,283.1 139.91,281.76 139.76,280.94 139.68,277.47 139.68,276.88 139.96,275.98 140.53,273.99 140.74,273.79 141.1,272.5 141.12,267.87 140.97,266.92 140.71,264.99 140.74,264.09 140.74,263.91 140.94,262.57 141.1,262.11 v1(142.07,261.26) ; 215.68,273.58 215.91,270.05 215.94,268.62 215.88,256.01 ; 370.25,111.06 370.16,128.34 370.16,129.48 370.13,129.65 369.95,142.7 369.91,145.04 369.57,157.17 369.57,158.6 369.52,159.21 369.5,160.12 369.46,162.83 369.48,164.71 369.66,166.69 370,168.72 370.15,175.41 370.03,178.86 369.36,182.34 368.81,184.83 368.83,190.29 368.88,190.89 368.92,192.13 369.04,197.85 369.11,199.21 369.18,202.27 369.27,202.64 369.53,203.81 369.74,204.9 369.95,205.82 370.09,207 370.53,210.14 370.45,215.52 370.36,215.61 370.43,217.54 370.36,223.28 v1(369.95,223.96) ; v1(335.56,134.82) 335.61,134.4 335.73,133.28 335.82,132.87 335.92,132.1 336.12,130.75 336.05,130.97 336.22,129.4 336.22,111.11 336.04,110.93 ; v1(325.86,249.43) 326.02,248.65 326.22,247.84 326.35,238.37 326.58,232.26 326.58,221.61 326.59,221.6 326.51,182.82 326.49,181.17 326.31,175.4 326.27,174.65 326.23,174.38 326.07,171.76 326,170.52 325.94,169.63 325.96,169.73 325.88,169.03 v1(325.73,168.04) ; v1(223.62,193.83) 223.89,193.18 223.92,192.42 223.79,164.75 223.77,159.71 v1(223.72,150.76) 223.93,150.97 ; 214.42,119.3 213.58,133.97 213.84,148.45 213.91,150.92 213.98,153.53 214.03,154.97 213.62,158.82 213.3,160.95 213.3,167.02 213.26,167.06 213.3,167.1 213.3,176.82 213.44,179.38 213.6,182.21 213.69,183.73 213.8,186.95 213.91,191.6 v1(213.68,221.73) ; v1(183.52,346.34) 183.3,345.72 183.67,343.82 183.99,342.36 184.17,339.66 184.25,339.32 184.29,338.27 184.28,331.15 184.29,329.5 184.34,326.75 184.28,325.76 184.25,325.73 184.25,315.88 184.2,315.53 184.22,313.97 184.28,311.84 184.19,308.15 184.26,306.33 184.26,296.26 184.22,296.22 184.32,296.12 184.22,283.09 184.22,280.94 184.2,277.16 184.17,275.88 184.17,269.57 184.2,269.1 184.07,266.95 183.95,265.65 183.92,264.65 v1(183.62,262.67) ; 106.09,119.31 106.07,119.33 105.94,139.9 105.94,143.64 105.96,143.66 105.96,146.26 106.01,146.31 106.01,151.09 105.99,151.1 105.99,154.68 105.96,154.72 105.92,157.43 105.88,158.13 105.88,160.28 105.88,160.93 105.84,176.9 105.81,177.82 105.94,180 105.97,180.92 106.24,185.8 106.4,186.71 106.37,187.95 106.48,188.69 106.64,189.96 106.87,190.96 106.93,192.5 107.08,193.26 ; 101.03,155.42 101.34,152.18 101.5,151.31 101.83,145.08 101.92,119.34 ; 176.85,288.67 176.9,290.07 177.02,292.96 177.17,295.93 177.09,296.01 177.33,298.02 177.41,306.39 177.53,307.79 177.6,310.76 177.56,310.8 177.56,313.23 177.53,315.45 177.5,319.28 177.6,320.82 ; 101.8,157.23 101.82,158.71 102.38,161.18 103.04,163.36 ; v1(133.85,336.4) 133.71,335.57 133.56,334.56 133.63,327.61 133.17,316.61 132.93,310.82 132.78,307.08 132.55,301.88 132.49,299.58 132.41,296.53 133.2,293.03 132.62,290.8 132.49,285.11 132.91,279.24 133.23,272 133.52,269.32 134.07,260.05 134.27,258.21 134.4,253.72 134.49,251.4 134.75,241.25 135.27,240.64 v1(135.65,239.73) ; v1(372.38,242.77) 372.62,243.01 372.62,253.74 372.6,254.85 372.83,258.57 373.34,259.76 373.95,260.93 374.13,261.27 374.69,263.18 374.67,264.85 374.75,265.97 374.82,269.35 374.78,269.88 374.79,270.33 374.9,290.19 374.77,290.93 374.67,291.31 374.54,291.91 374.26,292.85 374.17,292.99 373.89,293.6 373.74,294.01 373.25,294.98 372.88,295.97 372.36,297.43 372.4,298.44 372.48,298.71 372.67,300.14 373.12,301.34 373.5,303.3 373.41,304.92 373.09,307.28 372.71,308.21 372.43,310.12 372.42,310.85 372.55,311.61 372.95,312.39 373.79,314.2 373.91,316.08 373.89,316.1 373.96,317.09 373.98,320.09 374.01,320.81 374,321.49 374.26,334.66 374.05,336.33 373.78,339.7 373.07,342.31 373.13,344.05 373.22,344.63 373.57,345.81 374.23,347.97 374.18,356.71 374.08,358.11 373.9,359.28 373.64,359.9 373.06,361 372.78,361.49 372.5,362.35 372.32,363.07 372.32,364.22 372.6,365.82 372.64,366.95 372.78,367.66 372.84,369.17 372.81,370.58 372.96,372.9 372.93,373.53 372.86,376.16 372.99,376.3 372.99,381.41 v1(372.92,381.49) ; v1(180.55,346.57) 180.75,343.41 180.81,342.52 181,339.88 181.1,338.92 181.24,327.96 181.16,326.35 181.05,322.69 180.93,320.87 180.49,317.14 180.57,316.18 180.98,313.7 181.4,312.44 181.73,308.81 181.82,307.3 182.1,294.82 182.14,292.66 182.02,289.45 v1(182.27,289.21) ; v1(131.71,327.51) 131.95,325.85 132.04,324.53 132.08,320.34 132.16,314.43 131.89,309.03 131.85,308.37 131.81,307.66 131.62,304.31 131.6,304.17 131.56,300.62 131.51,298.08 131.41,296.07 131.48,295.1 131.84,293.08 131.95,291.58 131.3,289.52 130.62,288.66 v1(130.37,288.07) ; v1(335.76,243.32) 335.55,244.49 335.45,244.97 335.36,245.24 335.51,275.5 335.24,287.58 335.55,290.85 335.87,291.55 336.04,292.77 336.18,293.11 336.29,294.42 336.39,294.84 336.54,295.55 336.75,296.46 336.88,297.23 336.99,298.32 336.99,298.94 337.2,309.69 336.94,311.15 336.75,313.29 336.56,313.97 336.35,316.34 336.1,317.54 v1(336.02,318) ; v1(216.39,167.58) 216.46,167.64 216.46,176.97 216.47,180.08 216.63,185.2 216.7,185.87 216.49,189.04 216.52,189.54 216.2,191.65 216.01,194.16 215.89,196.21 216.06,201.54 215.94,204.78 215.88,213.15 ; 180.91,154.88 180.6,166.79 180.35,168.1 180.22,179.69 180.39,180.85 180.73,185.3 180.86,187.09 181.11,188.82 181.35,190.61 181.5,192.15 181.75,193.04 182.01,194.87 182.14,195.51 v1(182.27,196.52) ; 130.75,353.14 130.32,352.49 130.15,348.57 130.32,344.53 130.4,342.17 130.5,335.16 130.35,333.21 130.23,329.61 129.96,328.51 129.7,325.39 129.78,324.74 130.1,323.08 v1(130.3,322.23) ; 130.75,353.14 131.6,353.99 v1(131.71,353.99) ; 130.75,353.14 130.88,353.33 ; v1(286.5,320.82) 286.3,319.3 286.39,310.96 286.66,293.49 286.12,290 285.87,288.16 286.44,284.67 v1(286.44,283.98) ; 171.57,119.88 171.57,128.78 171.66,128.87 171.66,137.18 171.61,139.24 171.65,146.6 171.21,148.6 170.91,149.3 169.85,152.48 169.55,153.58 169.09,156.22 169.15,161.06 169.12,162.43 169.15,166.37 169.27,169.55 169.36,171.46 ; 324.31,112.93 324.44,112.8 ; v1(142.27,264.47) 142.42,266.79 142.21,272.9 141.81,274.19 141.14,275.89 140.71,277.7 140.87,278.62 141.6,280.89 v1(142.07,281.71) ; v1(367.03,384.1) 367.01,384.08 